# KiCad board architeuthis_dux.kicad_pcb (continued)
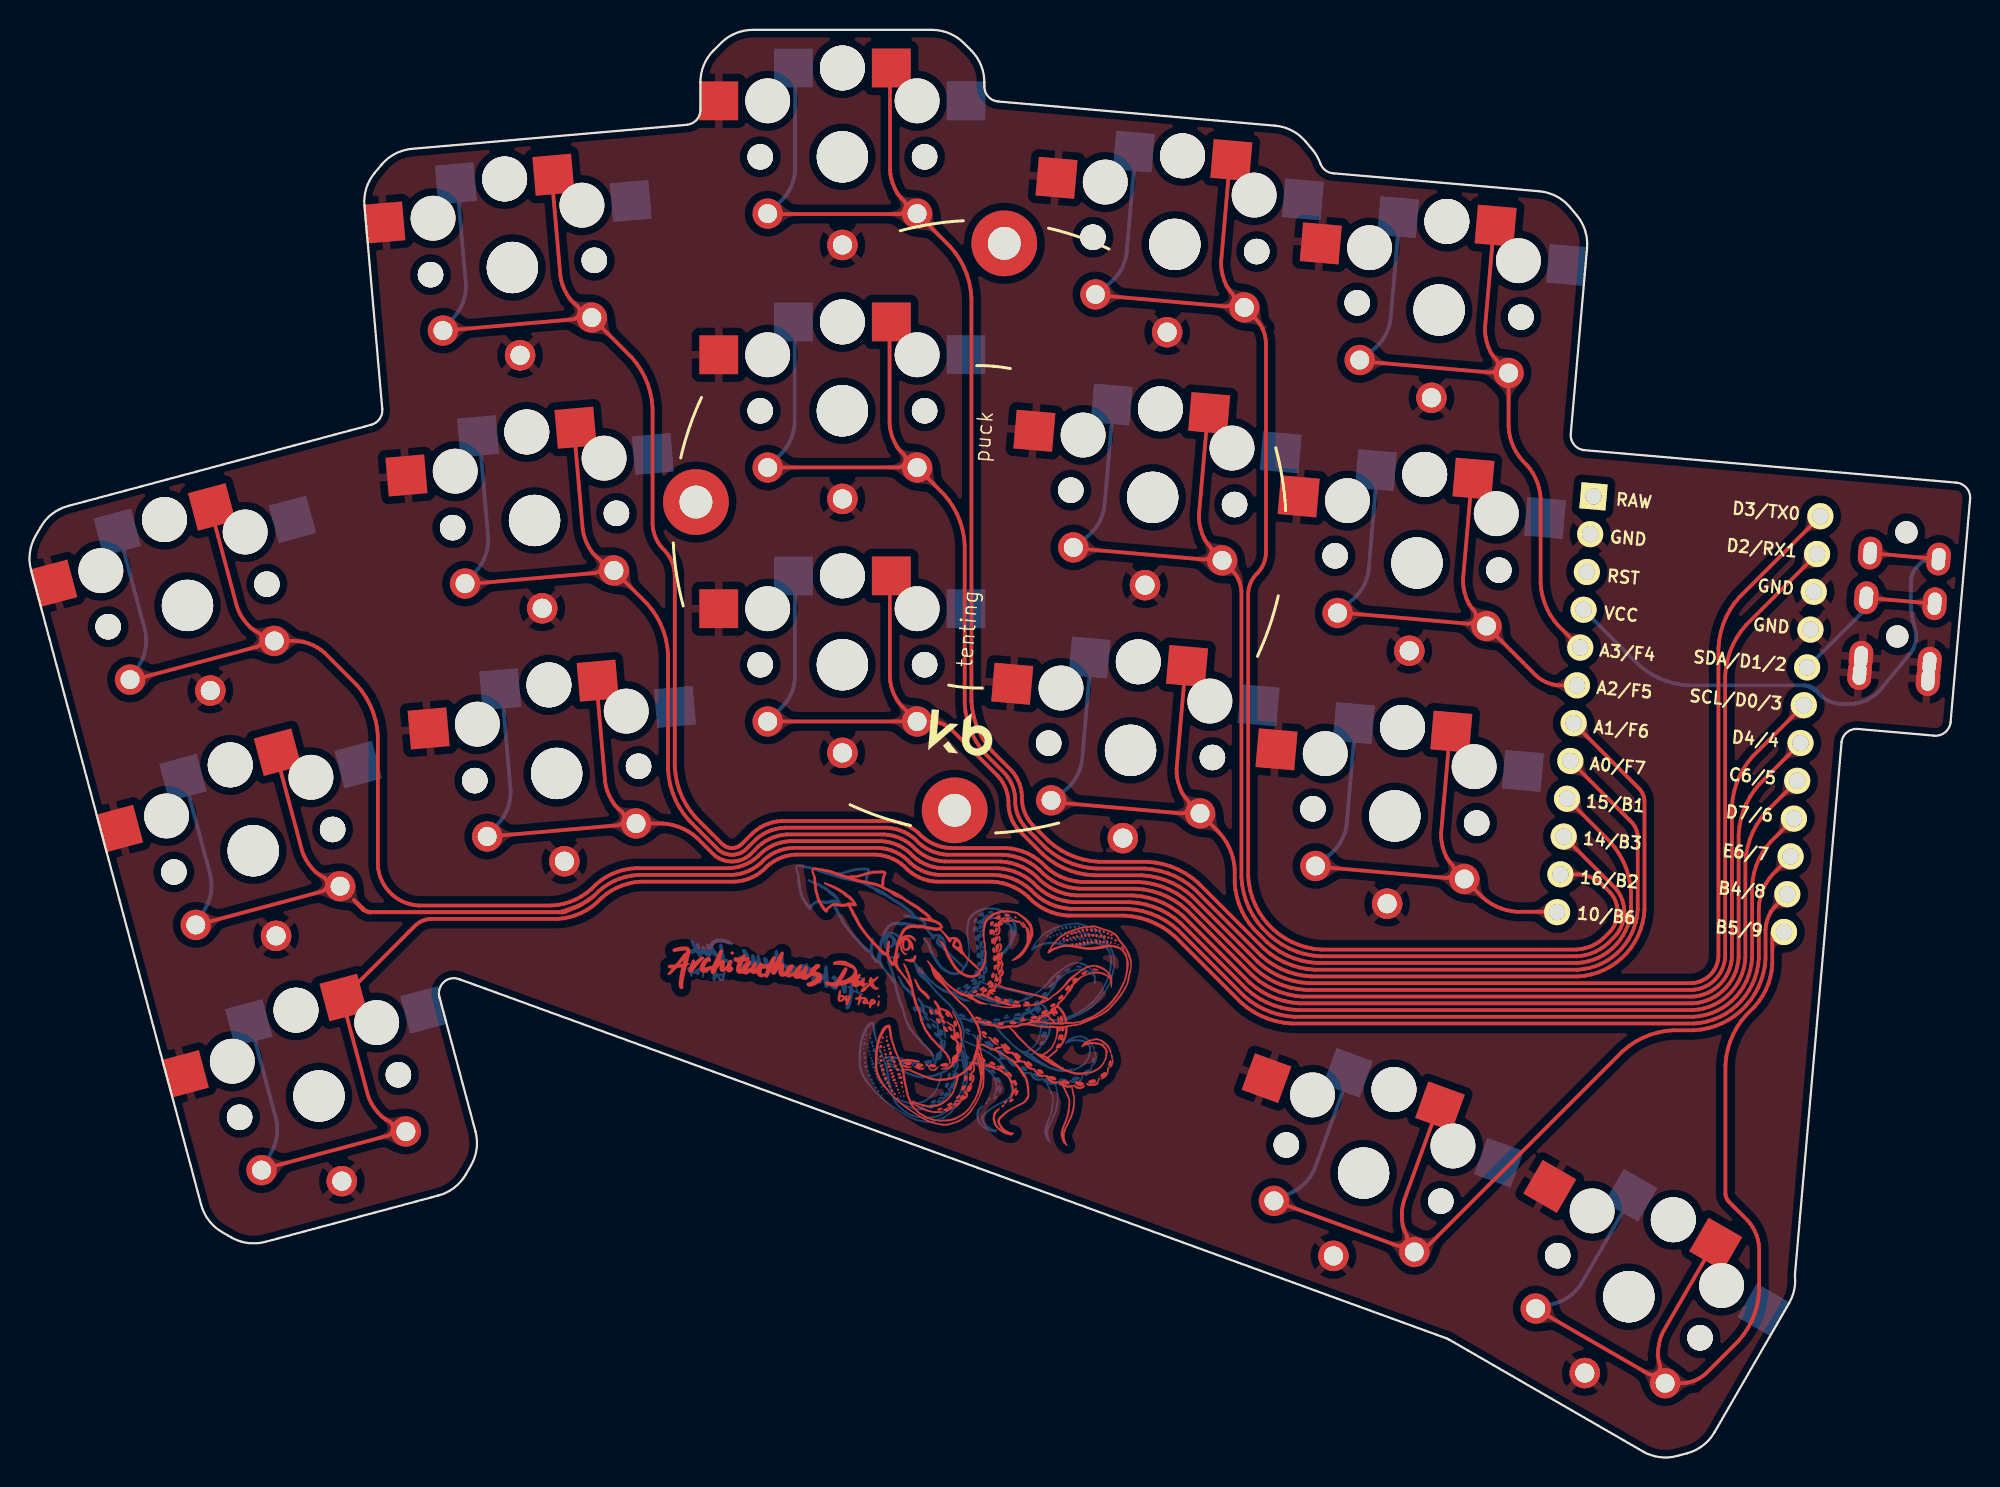
[diagram p0: board, top side]
## Copper pours and planes (outline as drawn; the poured copper is in the pictures) (continued)
P9 on Top: 111.45,5.07 111.21,5.08 111.02,5.12 110.86,5.18 110.72,5.25 110.6,5.34 110.48,5.44 110.36,5.54 110.22,5.65 110.06,5.76 109.87,5.86 108.92,4.95 109.87,4.03 110.06,4.14 110.22,4.25 110.36,4.35 110.48,4.46 110.6,4.55 110.72,4.64 110.86,4.72 111.02,4.77 111.21,4.81 111.45,4.82
P9 on Top: 108.76,6.86 108.81,6.63 108.82,6.43 108.81,6.25 108.78,6.1 108.73,5.96 108.66,5.82 108.6,5.67 108.53,5.51 108.47,5.33 108.43,5.11 109.57,4.46 110.18,5.63 110.03,5.78 109.88,5.9 109.74,6 109.6,6.09 109.48,6.18 109.36,6.27 109.26,6.38 109.16,6.52 109.07,6.7 109,6.93
P9 on Top: 107.59,5.84 107.8,5.71 107.95,5.58 108.07,5.45 108.15,5.31 108.22,5.18 108.27,5.03 108.33,4.88 108.39,4.72 108.48,4.55 108.6,4.36 109.87,4.7 109.48,5.96 109.26,5.96 109.07,5.94 108.9,5.92 108.75,5.89 108.6,5.86 108.45,5.84 108.29,5.85 108.12,5.88 107.93,5.95 107.72,6.06
P9 on Top: 102.56,9.03 102.36,9.16 102.21,9.29 102.1,9.42 102.02,9.55 101.96,9.69 101.91,9.83 101.87,9.98 101.81,10.14 101.73,10.31 101.62,10.5 100.33,10.21 100.68,8.93 100.89,8.93 101.08,8.94 101.25,8.96 101.41,8.99 101.56,9.02 101.71,9.03 101.87,9.02 102.03,8.99 102.22,8.93 102.44,8.82
P9 on Bottom: 102.67,10.58 102.44,10.54 102.24,10.52 102.07,10.54 101.92,10.57 101.78,10.63 101.65,10.69 101.5,10.76 101.35,10.83 101.17,10.89 100.96,10.94 100.28,9.82 101.43,9.18 101.59,9.33 101.71,9.47 101.81,9.61 101.9,9.74 101.99,9.87 102.08,9.98 102.19,10.09 102.33,10.18 102.51,10.27 102.73,10.34
P10 on Top: 100.44,36.38 100.64,36.37 100.81,36.34 100.95,36.29 101.07,36.23 101.18,36.16 101.28,36.08 101.38,35.99 101.5,35.89 101.63,35.8 101.79,35.71 102.64,36.47 101.84,37.28 101.67,37.2 101.53,37.11 101.41,37.02 101.3,36.93 101.19,36.85 101.08,36.78 100.96,36.72 100.82,36.67 100.65,36.64 100.44,36.63
P10 on Top: 97.51,37.36 97.35,37.54 97.23,37.7 97.16,37.86 97.11,38.01 97.09,38.15 97.08,38.31 97.06,38.47 97.04,38.64 97.01,38.83 96.95,39.04 95.63,39.06 95.65,37.74 95.86,37.68 96.05,37.65 96.22,37.63 96.38,37.61 96.54,37.6 96.68,37.58 96.83,37.53 96.99,37.46 97.15,37.34 97.33,37.18
P10 on Top: 94.6,40.14 94.74,39.95 94.84,39.78 94.9,39.62 94.93,39.47 94.94,39.32 94.94,39.17 94.94,39.01 94.94,38.84 94.96,38.65 95.01,38.44 96.32,38.32 96.39,39.64 96.19,39.71 96,39.76 95.84,39.79 95.68,39.81 95.53,39.83 95.39,39.87 95.25,39.92 95.1,40.01 94.95,40.13 94.79,40.3
P10 on Top: 93.97,38.72 94.21,38.69 94.4,38.63 94.56,38.56 94.69,38.48 94.81,38.38 94.92,38.27 95.03,38.16 95.16,38.05 95.31,37.93 95.5,37.81 96.49,38.68 95.59,39.64 95.4,39.55 95.24,39.45 95.1,39.35 94.97,39.25 94.85,39.16 94.72,39.09 94.58,39.02 94.42,38.98 94.22,38.96 93.99,38.97
P10 on Top: 88.06,39.49 87.83,39.52 87.63,39.57 87.48,39.64 87.35,39.73 87.24,39.83 87.13,39.94 87.02,40.05 86.9,40.18 86.75,40.3 86.58,40.43 85.52,39.64 86.35,38.61 86.56,38.7 86.73,38.78 86.88,38.88 87.02,38.97 87.14,39.05 87.28,39.13 87.42,39.19 87.59,39.23 87.8,39.25 88.04,39.24
P10 on Bottom: 87.51,40.94 87.32,40.8 87.15,40.7 86.99,40.64 86.84,40.61 86.69,40.6 86.54,40.61 86.38,40.61 86.21,40.61 86.02,40.6 85.81,40.57 85.63,39.26 86.94,39.13 87.02,39.33 87.08,39.51 87.12,39.68 87.15,39.84 87.18,39.99 87.22,40.13 87.27,40.28 87.36,40.43 87.49,40.58 87.67,40.75
P14 on Top: 103.96,40.4 103.82,40.55 103.73,40.69 103.66,40.82 103.62,40.95 103.6,41.08 103.58,41.21 103.57,41.34 103.55,41.49 103.52,41.65 103.47,41.83 102.33,41.85 102.35,40.72 102.53,40.66 102.69,40.63 102.84,40.61 102.98,40.6 103.11,40.59 103.23,40.56 103.36,40.52 103.49,40.46 103.63,40.36 103.79,40.22
P14 on Top: 81.2,58.53 81.19,58.74 81.16,58.92 81.11,59.06 81.06,59.19 81,59.31 80.94,59.43 80.89,59.55 80.84,59.68 80.81,59.84 80.8,60.03 79.42,60.39 79.45,59.07 79.65,59.02 79.86,59 80.07,59 80.27,59.01 80.45,59.01 80.61,59 80.75,58.95 80.86,58.87 80.93,58.73 80.95,58.53
P14 on Top: 78.39,61.45 78.54,61.26 78.63,61.09 78.69,60.93 78.72,60.78 78.73,60.63 78.73,60.48 78.73,60.32 78.74,60.15 78.76,59.97 78.81,59.76 80.12,59.65 80.18,60.97 79.98,61.04 79.79,61.08 79.63,61.11 79.47,61.13 79.32,61.15 79.18,61.19 79.04,61.24 78.9,61.32 78.74,61.44 78.59,61.61
P14 on Top: 77.76,60.03 78,60 78.2,59.95 78.36,59.87 78.49,59.79 78.61,59.69 78.72,59.59 78.83,59.48 78.96,59.36 79.12,59.25 79.31,59.13 80.29,60.01 79.38,60.96 79.19,60.87 79.02,60.77 78.89,60.66 78.76,60.57 78.64,60.48 78.52,60.4 78.38,60.34 78.21,60.29 78.02,60.27 77.78,60.28
P14 on Top: 71.86,60.8 71.62,60.83 71.43,60.89 71.28,60.96 71.15,61.04 71.04,61.14 70.93,61.25 70.82,61.37 70.7,61.49 70.56,61.62 70.38,61.75 69.32,60.97 70.14,59.94 70.35,60.02 70.52,60.1 70.67,60.19 70.81,60.28 70.94,60.37 71.07,60.44 71.22,60.5 71.39,60.54 71.59,60.56 71.84,60.55
P14 on Bottom: 71.3,62.25 71.11,62.11 70.94,62.02 70.79,61.96 70.64,61.93 70.49,61.92 70.34,61.93 70.18,61.94 70.01,61.94 69.83,61.93 69.62,61.9 69.42,60.59 70.73,60.45 70.82,60.65 70.88,60.83 70.92,61 70.94,61.15 70.97,61.3 71.01,61.45 71.07,61.59 71.16,61.74 71.29,61.89 71.46,62.06
P15 on Top: 79.82,41.75 79.66,41.93 79.55,42.09 79.48,42.25 79.43,42.4 79.4,42.55 79.39,42.7 79.38,42.86 79.36,43.03 79.32,43.22 79.26,43.43 77.94,43.45 77.97,42.13 78.18,42.07 78.37,42.04 78.54,42.02 78.7,42.01 78.85,41.99 79,41.97 79.15,41.92 79.3,41.85 79.47,41.73 79.65,41.57
P15 on Top: 104.18,42.93 104.05,43.08 103.95,43.22 103.88,43.35 103.84,43.48 103.82,43.61 103.8,43.74 103.79,43.87 103.77,44.02 103.74,44.18 103.69,44.36 102.55,44.38 102.57,43.25 102.75,43.19 102.91,43.16 103.06,43.14 103.2,43.13 103.33,43.12 103.45,43.09 103.58,43.05 103.71,42.99 103.85,42.89 104.01,42.75
P15 on Top: 76.9,44.46 77.04,44.27 77.13,44.1 77.19,43.94 77.22,43.79 77.24,43.64 77.24,43.33 77.25,43.16 77.28,42.98 77.34,42.77 78.66,42.73 78.64,44.05 78.45,44.11 78.27,44.14 78.1,44.16 77.95,44.17 77.81,44.19 77.67,44.22 77.53,44.26 77.39,44.34 77.24,44.46 77.09,44.62
P15 on Top: 76.27,43.04 76.51,43 76.71,42.95 76.88,42.88 77.01,42.8 77.14,42.7 77.38,42.49 77.51,42.38 77.68,42.28 77.88,42.17 78.81,43.1 77.84,44 77.66,43.89 77.5,43.79 77.37,43.68 77.25,43.58 77.13,43.49 77.01,43.41 76.87,43.34 76.71,43.3 76.52,43.28 76.29,43.29
P15 on Top: 70.36,43.81 70.13,43.84 69.95,43.89 69.8,43.96 69.67,44.05 69.56,44.15 69.46,44.26 69.36,44.38 69.25,44.51 69.11,44.64 68.95,44.78 67.84,44.06 68.6,42.98 68.81,43.05 68.99,43.13 69.15,43.21 69.42,43.38 69.56,43.45 69.71,43.51 69.88,43.55 70.09,43.57 70.34,43.56
P15 on Bottom: 69.8,45.26 69.62,45.12 69.46,45.03 69.31,44.98 69.17,44.96 69.02,44.96 68.88,44.97 68.73,44.98 68.56,44.99 68.38,44.99 68.17,44.97 67.93,43.67 69.23,43.47 69.32,43.67 69.39,43.85 69.43,44.01 69.49,44.31 69.52,44.46 69.58,44.6 69.67,44.75 69.79,44.9 69.97,45.06
P16 on Top: 104.16,39.14 103.96,39.15 103.79,39.18 103.65,39.23 103.53,39.29 103.42,39.36 103.32,39.44 103.22,39.53 103.1,39.62 102.96,39.71 102.8,39.8 101.98,39.01 102.8,38.22 102.96,38.31 103.1,38.41 103.22,38.5 103.32,38.58 103.42,38.67 103.53,38.74 103.65,38.8 103.79,38.85 103.96,38.88 104.16,38.89
P16 on Top: 82.79,75.62 82.63,75.8 82.51,75.96 82.44,76.12 82.39,76.27 82.37,76.42 82.35,76.57 82.34,76.73 82.32,76.9 82.29,77.09 82.23,77.3 80.91,77.32 80.93,76.01 81.14,75.94 81.33,75.91 81.5,75.89 81.66,75.88 81.81,75.86 81.96,75.84 82.11,75.79 82.27,75.72 82.43,75.6 82.61,75.44
P16 on Top: 79.88,78.4 80.02,78.21 80.12,78.04 80.17,77.88 80.2,77.73 80.22,77.58 80.22,77.43 80.21,77.27 80.22,77.1 80.24,76.91 80.29,76.7 81.6,76.58 81.66,77.9 81.46,77.97 81.28,78.02 81.11,78.05 80.96,78.07 80.81,78.09 80.67,78.13 80.52,78.18 80.38,78.26 80.23,78.39 80.07,78.56
P16 on Top: 79.25,76.98 79.48,76.94 79.68,76.89 79.84,76.82 79.97,76.74 80.08,76.64 80.2,76.53 80.31,76.42 80.44,76.31 80.59,76.19 80.78,76.07 81.77,76.94 80.87,77.9 80.68,77.81 80.51,77.71 80.37,77.61 80.25,77.51 80.13,77.42 80,77.34 79.86,77.28 79.7,77.24 79.5,77.22 79.27,77.23
P16 on Top: 73.34,77.75 73.1,77.78 72.91,77.83 72.76,77.9 72.63,77.99 72.52,78.09 72.41,78.2 72.3,78.31 72.18,78.44 72.03,78.56 71.86,78.69 70.8,77.9 71.63,76.87 71.84,76.96 72.01,77.04 72.16,77.14 72.29,77.23 72.42,77.31 72.56,77.39 72.7,77.45 72.87,77.49 73.07,77.51 73.32,77.5
P16 on Bottom: 72.78,79.2 72.6,79.05 72.42,78.96 72.27,78.9 72.12,78.87 71.97,78.86 71.82,78.87 71.66,78.87 71.49,78.88 71.3,78.86 71.09,78.83 70.9,77.52 72.22,77.39 72.3,77.59 72.36,77.77 72.4,77.94 72.43,78.1 72.46,78.25 72.49,78.39 72.55,78.54 72.64,78.69 72.77,78.84 72.94,79
P18 on Top: 60.89,81.9 60.73,82.08 60.62,82.25 60.54,82.4 60.5,82.55 60.47,82.7 60.46,82.85 60.45,83.01 60.43,83.18 60.39,83.37 60.33,83.58 59.01,83.61 59.04,82.29 59.25,82.23 59.44,82.19 59.61,82.17 59.77,82.16 59.92,82.14 60.07,82.12 60.22,82.07 60.37,82 60.54,81.89 60.72,81.73
P18 on Top: 104.41,45.46 104.27,45.61 104.17,45.75 104.1,45.88 104.06,46.01 104.04,46.14 104.03,46.27 104.01,46.4 103.99,46.55 103.96,46.71 103.91,46.89 102.77,46.91 102.8,45.78 102.97,45.72 103.14,45.69 103.28,45.67 103.42,45.66 103.55,45.65 103.67,45.62 103.8,45.58 103.93,45.52 104.08,45.42 104.23,45.28
P18 on Top: 57.86,84.56 58.02,84.38 58.13,84.22 58.2,84.07 58.25,83.92 58.27,83.77 58.28,83.62 58.3,83.46 58.32,83.29 58.35,83.11 58.42,82.9 59.74,82.89 59.69,84.21 59.48,84.27 59.3,84.3 59.13,84.32 58.97,84.32 58.82,84.34 58.67,84.36 58.53,84.4 58.37,84.47 58.21,84.58 58.04,84.74
P18 on Top: 57.36,83.09 57.6,83.08 57.79,83.04 57.96,82.99 58.1,82.91 58.22,82.83 58.34,82.73 58.46,82.63 58.6,82.52 58.76,82.42 58.96,82.32 59.88,83.26 58.9,84.15 58.71,84.04 58.56,83.93 58.43,83.82 58.31,83.71 58.2,83.61 58.08,83.52 57.94,83.45 57.78,83.39 57.59,83.35 57.36,83.34
P18 on Top: 51.41,83.34 51.17,83.35 50.97,83.39 50.81,83.45 50.67,83.52 50.55,83.61 50.44,83.71 50.32,83.81 50.18,83.93 50.03,84.04 49.84,84.15 48.86,83.26 49.79,82.32 49.98,82.42 50.15,82.53 50.29,82.63 50.41,82.73 50.53,82.83 50.66,82.91 50.8,82.99 50.96,83.04 51.16,83.08 51.41,83.09
P18 on Bottom: 50.73,84.74 50.55,84.58 50.39,84.47 50.23,84.4 50.09,84.36 49.94,84.33 49.79,84.32 49.63,84.31 49.46,84.3 49.27,84.27 49.07,84.22 49,82.9 50.32,82.89 50.39,83.09 50.43,83.28 50.45,83.45 50.47,83.61 50.48,83.76 50.51,83.91 50.55,84.06 50.63,84.22 50.74,84.38 50.9,84.56
P19 on Top: 60.89,64.9 60.73,65.08 60.62,65.25 60.54,65.4 60.5,65.55 60.47,65.7 60.46,65.85 60.45,66.01 60.43,66.18 60.39,66.37 60.33,66.58 59.01,66.61 59.04,65.29 59.25,65.23 59.44,65.19 59.61,65.17 59.77,65.16 59.92,65.14 60.07,65.12 60.22,65.07 60.37,65 60.54,64.89 60.72,64.73
P19 on Top: 104.63,47.99 104.49,48.14 104.39,48.28 104.33,48.42 104.28,48.54 104.26,48.67 104.25,48.8 104.23,48.93 104.22,49.08 104.18,49.24 104.13,49.42 102.99,49.44 103.02,48.31 103.2,48.25 103.36,48.22 103.5,48.2 103.64,48.19 103.77,48.18 103.9,48.15 104.02,48.11 104.16,48.05 104.3,47.95 104.45,47.81
P19 on Top: 57.84,67.59 58,67.41 58.11,67.25 58.19,67.09 58.24,66.94 58.26,66.79 58.28,66.64 58.29,66.48 58.31,66.31 58.35,66.12 58.41,65.91 59.73,65.89 59.7,67.21 59.49,67.27 59.3,67.3 59.12,67.32 58.96,67.34 58.81,67.35 58.66,67.37 58.51,67.42 58.36,67.5 58.19,67.61 58.01,67.77
P19 on Top: 57.34,66.13 57.58,66.12 57.77,66.08 57.94,66.03 58.07,65.95 58.2,65.87 58.31,65.77 58.43,65.66 58.57,65.55 58.73,65.44 58.92,65.34 59.88,66.24 58.94,67.17 58.74,67.06 58.58,66.95 58.44,66.85 58.32,66.74 58.2,66.65 58.08,66.56 57.94,66.49 57.78,66.43 57.58,66.39 57.34,66.38
P19 on Top: 51.38,66.38 51.14,66.39 50.94,66.43 50.78,66.49 50.65,66.56 50.53,66.65 50.41,66.75 50.29,66.85 50.15,66.96 50,67.06 49.8,67.17 48.86,66.24 49.82,65.34 50.01,65.44 50.17,65.55 50.3,65.66 50.42,65.77 50.53,65.86 50.65,65.95 50.79,66.03 50.95,66.08 51.14,66.12 51.38,66.13
P19 on Bottom: 50.7,67.78 50.52,67.62 50.35,67.5 50.2,67.43 50.05,67.38 49.9,67.36 49.75,67.34 49.59,67.33 49.41,67.3 49.23,67.27 49.02,67.2 49.02,65.88 50.34,65.93 50.39,66.14 50.43,66.33 50.44,66.5 50.45,66.66 50.46,66.81 50.49,66.96 50.53,67.11 50.6,67.26 50.71,67.42 50.87,67.6
P20 on Top: 98.99,54.29 98.83,54.47 98.72,54.64 98.64,54.79 98.6,54.94 98.57,55.09 98.56,55.24 98.54,55.4 98.53,55.57 98.49,55.76 98.43,55.97 97.11,56 97.14,54.68 97.35,54.62 97.53,54.58 97.71,54.56 97.87,54.55 98.02,54.54 98.17,54.51 98.31,54.47 98.47,54.39 98.63,54.28 98.81,54.12
P20 on Top: 101.78,51.54 101.99,51.53 102.15,51.5 102.29,51.45 102.41,51.39 102.52,51.32 102.62,51.24 102.73,51.15 102.84,51.06 102.98,50.97 103.14,50.88 103.96,51.67 103.14,52.45 102.98,52.36 102.84,52.27 102.73,52.18 102.62,52.09 102.52,52.01 102.41,51.94 102.29,51.88 102.15,51.83 101.99,51.8 101.78,51.79
P20 on Top: 96.09,57.13 96.23,56.94 96.33,56.77 96.39,56.61 96.42,56.46 96.43,56.31 96.43,56.15 96.42,55.99 96.43,55.82 96.44,55.63 96.48,55.42 97.79,55.24 97.91,56.55 97.7,56.64 97.52,56.7 97.35,56.74 97.19,56.77 97.04,56.8 96.89,56.84 96.75,56.9 96.6,56.99 96.44,57.12 96.28,57.29
P20 on Top: 95.44,55.74 95.67,55.7 95.86,55.65 96.02,55.58 96.14,55.49 96.26,55.39 96.36,55.29 96.47,55.17 96.59,55.05 96.73,54.92 96.91,54.79 97.97,55.57 97.15,56.6 96.94,56.52 96.77,56.44 96.62,56.34 96.49,56.25 96.36,56.17 96.22,56.1 96.08,56.04 95.91,56 95.7,55.98 95.46,55.99
P20 on Top: 89.53,56.5 89.29,56.54 89.1,56.59 88.94,56.66 88.8,56.75 88.69,56.84 88.58,56.95 88.46,57.06 88.33,57.17 88.18,57.29 87.99,57.4 87,56.53 87.91,55.58 88.1,55.67 88.27,55.77 88.4,55.87 88.53,55.97 88.65,56.06 88.78,56.14 88.92,56.2 89.08,56.24 89.27,56.26 89.51,56.25
P20 on Bottom: 88.96,57.94 88.76,57.79 88.59,57.69 88.42,57.63 88.27,57.6 88.12,57.58 87.96,57.58 87.8,57.57 87.63,57.56 87.44,57.54 87.22,57.48 87.13,56.17 88.45,56.13 88.52,56.33 88.57,56.52 88.6,56.69 88.62,56.85 88.64,57 88.68,57.14 88.73,57.29 88.82,57.43 88.95,57.59 89.12,57.75
P21 on Top: 102.42,55.34 102.56,55.19 102.66,55.05 102.73,54.92 102.77,54.79 102.79,54.66 102.8,54.53 102.82,54.4 102.83,54.25 102.87,54.09 102.92,53.91 104.06,53.89 104.03,55.02 103.85,55.08 103.69,55.11 103.55,55.13 103.41,55.14 103.28,55.15 103.15,55.18 103.03,55.22 102.89,55.28 102.75,55.38 102.6,55.52
P21 on Top: 99.08,70.55 99.09,70.79 99.12,70.98 99.18,71.15 99.25,71.28 99.34,71.41 99.44,71.52 99.54,71.64 99.65,71.78 99.76,71.94 99.86,72.13 98.95,73.08 98.04,72.13 98.14,71.94 98.25,71.78 98.36,71.64 98.46,71.52 98.56,71.41 98.65,71.28 98.72,71.15 98.78,70.98 98.81,70.79 98.83,70.55
P21 on Top: 97.54,73.97 97.68,73.78 97.78,73.61 97.84,73.45 97.87,73.29 97.88,73.14 97.89,72.99 97.89,72.83 97.9,72.66 97.93,72.48 97.98,72.27 99.3,72.2 99.31,73.52 99.11,73.59 98.93,73.63 98.76,73.65 98.61,73.67 98.46,73.68 98.32,73.71 98.18,73.77 98.04,73.85 97.89,73.97 97.73,74.13
P21 on Top: 96.91,72.55 97.15,72.52 97.35,72.46 97.51,72.39 97.65,72.31 97.77,72.21 97.89,72.11 98.01,72 98.14,71.89 98.3,71.78 98.49,71.67 99.46,72.57 98.52,73.49 98.33,73.39 98.17,73.29 98.03,73.19 97.91,73.09 97.79,73 97.66,72.92 97.52,72.86 97.36,72.81 97.16,72.79 96.93,72.8
P21 on Top: 91,73.32 90.77,73.35 90.58,73.41 90.43,73.48 90.31,73.56 90.2,73.66 90.1,73.77 89.99,73.89 89.88,74.02 89.74,74.15 89.57,74.28 88.49,73.53 89.28,72.47 89.49,72.55 89.66,72.63 89.81,72.72 89.95,72.8 90.08,72.89 90.21,72.96 90.36,73.02 90.53,73.06 90.74,73.08 90.98,73.07
P21 on Bottom: 90.45,74.77 90.26,74.63 90.1,74.54 89.94,74.49 89.79,74.46 89.65,74.46 89.5,74.46 89.35,74.47 89.18,74.48 89,74.47 88.79,74.44 88.58,73.14 89.89,72.98 89.98,73.18 90.04,73.36 90.08,73.53 90.1,73.68 90.13,73.83 90.17,73.97 90.22,74.12 90.31,74.26 90.43,74.42 90.61,74.58
